# Altium PCB MCU063A_PCB.PcbDoc (part 4 of 9) (continued)
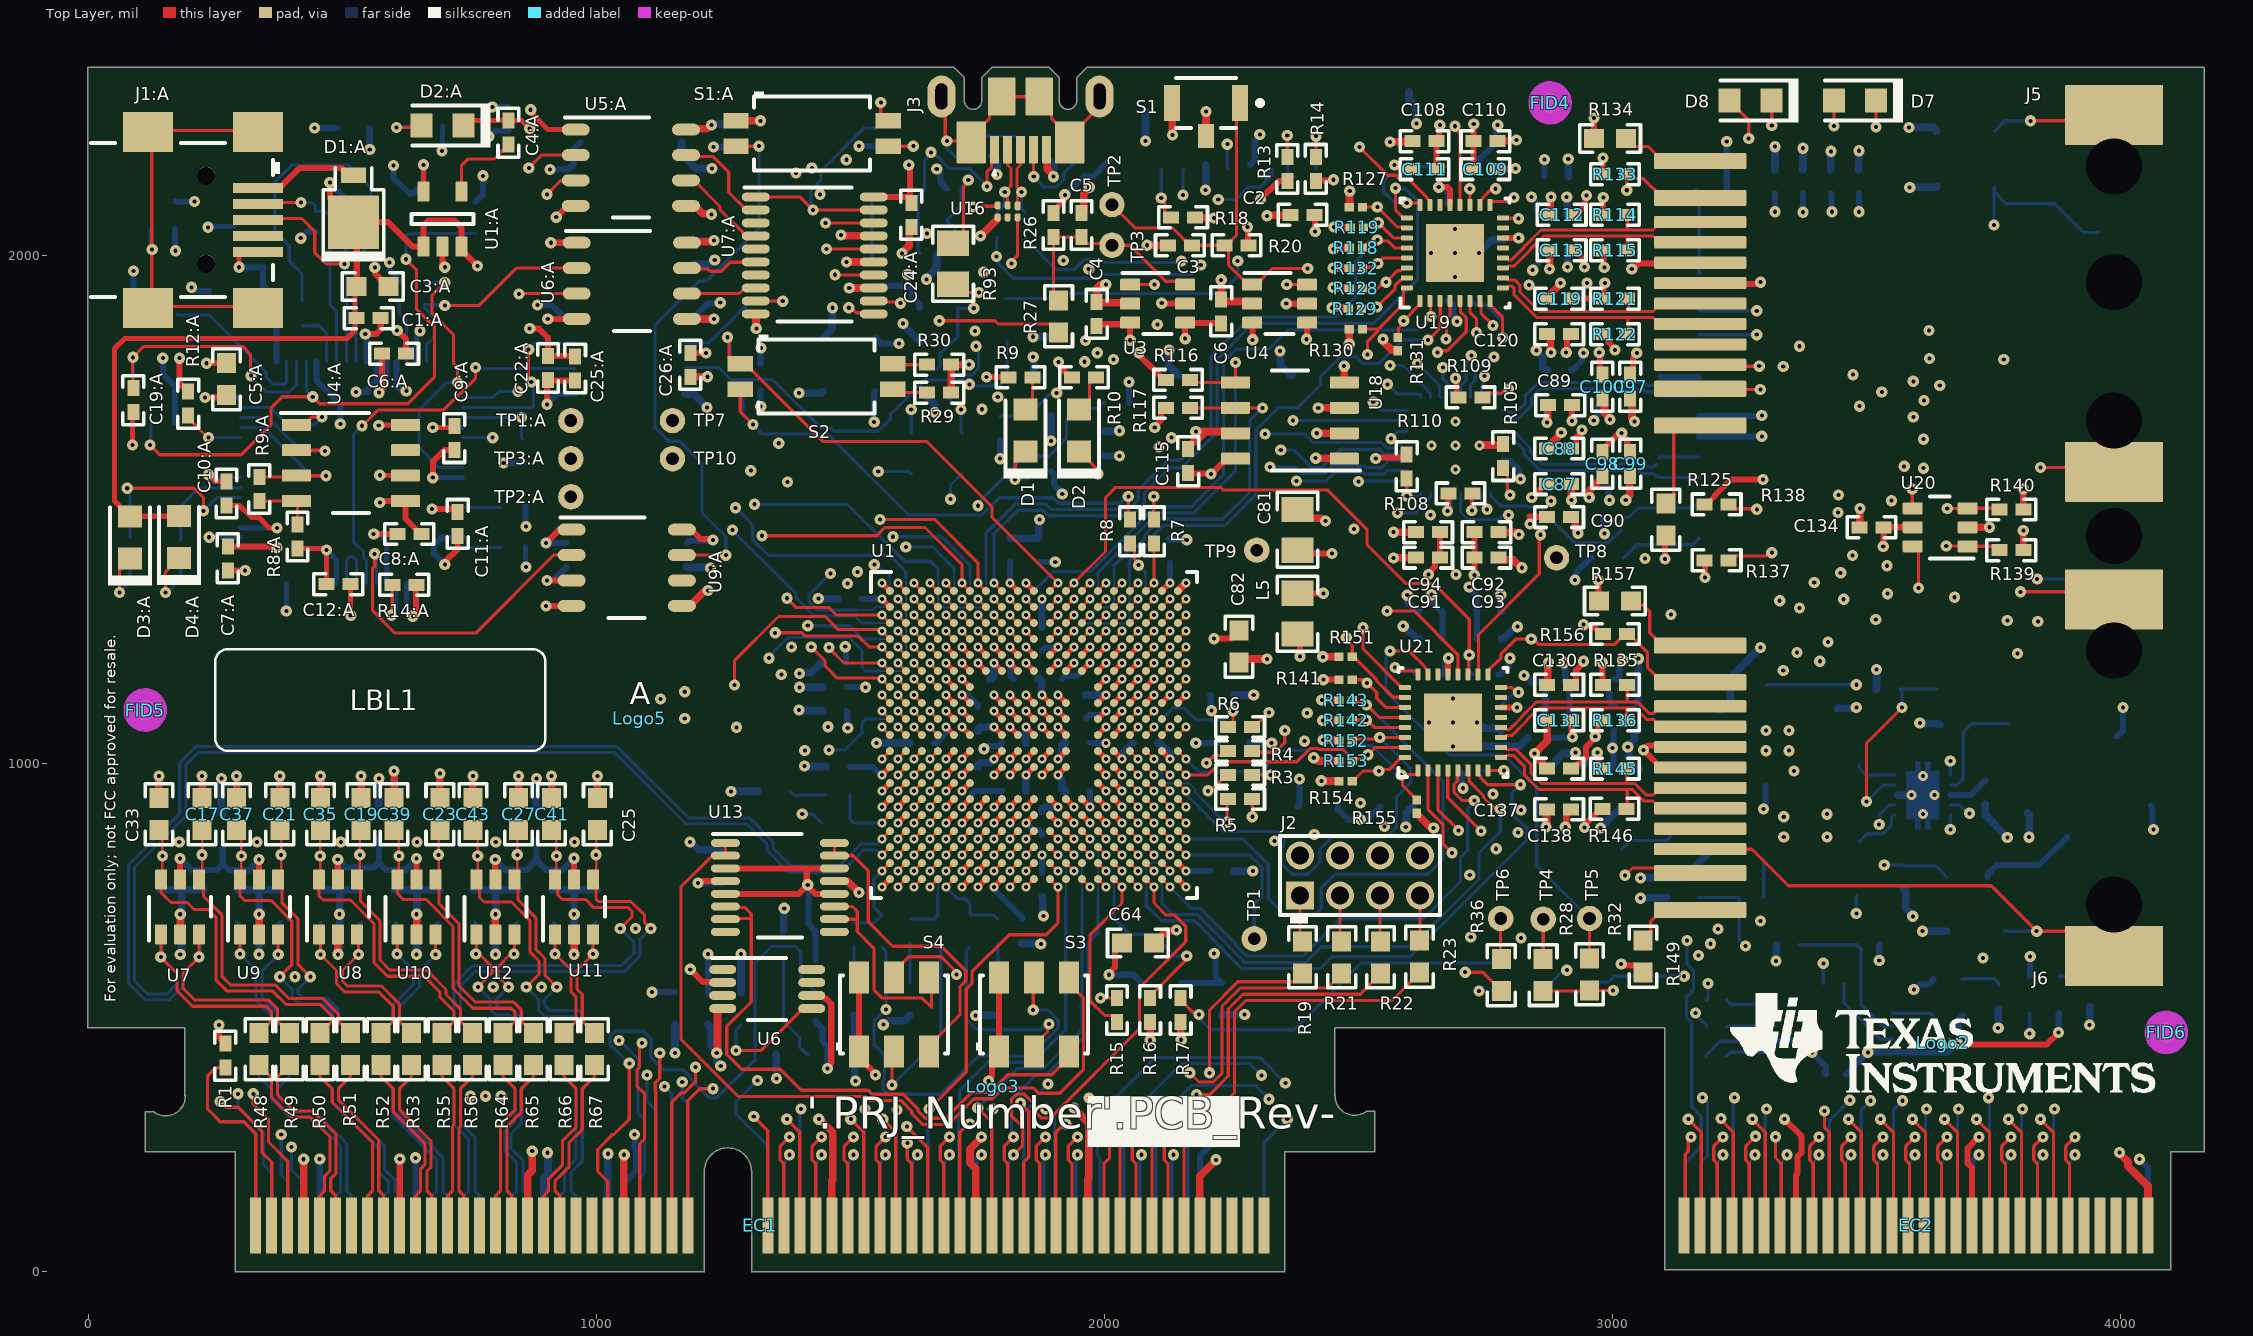
[diagram p0: Top Layer view]
## Nets (pads, with @x,y where several pads share a name; then routed paths per layer and width w, separated by ;. In a path a pad name is that pad's centre, name@x,y a point inside that pad or via, vN(x,y) a via of type N, cw(c..) or ccw(c..) an arc to the next point about the centre after c; other vN are vias at no path point) (continued)
  other v1: 782.21,345.31 797.21,560.31 892.21,560.31 407.21,580.31 181.21,624.31 1077.21,675.31 336.61,703.31 179.21,845.31 332.21,845.31 497.21,845.31 647.21,845.31 802.21,845.31 957.21,845.31 3030.21,1032.31 2816.3,1450.6
  other v3: 3610.82,900.37 3588.19,937.77 3633.46,937.77 3610.82,975.17 2638.83,1081.06 2686.07,1081.06 2686.07,1128.31 2691.07,1578.82 2643.83,1626.06 2691.07,1626.06 2691.07,1673.31 2690.01,1957.76 2642.77,2005 2690.01,2005 2690.01,2052.24
HSEC_5V0: D3.2 EC1.48 EC1.84 EC1.98 EC1.112 EC2.158 EC2.180 TP7.1 | length 1103.2
  Bottom w6.25: v1@1967.52,339.55 v1(1969.97,342)
  Bottom w12: EC1.48@1054.14,91 1054.14,174.13 1078.01,198 1078.01,239.53 1075.01,242.53 v1(1075.01,270) ; EC1.84@1747.05,91 1747.05,219.05 v1(1758,230) ; EC1.98@1967.52,91 1971.48,94.95 1971.48,340.49 v1(1969.97,342) ; EC1.112@2188,91 2188,227.99 v1(2220.01,260) ; EC2.158@3707.59,91 3707.59,216.28 v1(3721.31,230) ; v1(4037.21,221.31) 4054.04,204.47 EC2.180@4054.04,91 ; D3.2@4059.71,916.38 4063.1,913 4063.1,871.91 v1(4065.01,870)
HSEC_ADC-VREFHI: EC1.45 R44.1 | length 1211.2
  Top Layer w6.25: EC1.45@1022.64,91 1022.64,177.37 1002.88,197.13 1002.88,240.34 1032.55,270 1035.01,270 1065.01,300 v1(1065.01,410)
  Bottom w6.25: v1(1065.01,410) 1064.38,410 1026.88,447.49 1026.88,462.51 1037.5,473.13 1092.52,473.13 1108.13,457.51 1108.13,440.63 1106.88,439.38 1106.88,422.49 1132.1,397.28 1170.87,397.28 1196.08,372.07 1196.08,368.29 1222.5,341.88 1237.52,341.88 1312.75,417.11 1312.75,607.74 1344.96,639.95 1391.89,639.95 1402.61,629.23 1402.61,579.95 1430.44,552.12 R44.1@1431.42,552.12
HSEC_GPIO8: EC1.57 R19.2 | length 1800.5
  Top Layer w6.25: v1(1310.01,305) 1337.6,277.41 EC1.57@1337.6,91 ; v1(2207.21,391.31) 2207.21,514.92 2262.74,570.45 2374.43,570.45 2390.01,586.02 R19.2@2390.01,587.01
  Signal Layer 3 w6.25: v1(1310.01,305) 1361.16,253.85 1361.16,223.26 1409.29,175.13 2218.09,175.13 2261.58,218.62 2261.58,339.89 2210.16,391.31 v1(2207.21,391.31)
HSEC_GPIO9: EC1.59 R21.2 | length 1789.5
  Top Layer w6.25: EC1.59@1369.1,91 1369.1,212.49 1361.92,219.66 1361.92,246.88 v1(1380.05,265) ; v1(2168.21,391.31) 2186.33,373.19 2214.71,373.19 2231.59,390.06 2231.59,521.98 2267.81,558.2 2439.31,558.2 2467.14,586.02 R21.2@2467.14,587.01
  Signal Layer 3 w6.25: v1(1380.05,265) 1457.67,187.38 2213.02,187.38 2249.33,223.69 2249.33,334.82 2210.96,373.19 2199.29,373.19 2193.79,378.69 2184.4,378.69 2171.77,391.31 v1(2168.21,391.31)
HSEC_GPIO26: EC1.79 R22.2 | length 1437.1
  Top Layer w6.25: EC1.79@1684.06,91 1684.06,212.49 1676.88,219.66 1676.88,246.88 v1(1695.01,265) ; v1(2181.21,348.31) 2207.16,348.31 2243.84,384.99 2243.84,516.9 2272.89,545.95 2503.5,545.95 2543.57,586.02 R22.2@2543.57,587.01
  Signal Layer 3 w6.25: v1(1695.01,265) 1676.88,246.88 1676.88,222.49 1699.75,199.63 2148.54,199.63 2180.65,231.74 2180.65,246.27 2205.58,271.21 2205.58,323.94 v1(2181.21,348.31)
HSEC_GPIO27: EC1.81 R23.2 | length 1545.1
  Top Layer w6.25: EC1.81@1715.56,91 1715.56,274.45 1731.42,290.31 v1(1735.21,290.31) ; v1(2231.21,327.31) 2256.09,352.2 2256.09,511.83 2277.96,533.7 2566.19,533.7 2620.01,587.52 R23.2@2620.01,588.5
  Signal Layer 3 w6.25: v1(1735.21,290.31) 1735.21,227.16 1750.49,211.88 2143.46,211.88 2168.4,236.81 2168.4,268.07 2193.33,293.01 2193.33,311.82 2178.84,326.31 2177.57,326.31 2163.08,340.8 2163.08,355.82 2173.7,366.44 2188.71,366.44 2227.84,327.31 v1(2231.21,327.31)
IN_5V0: C46.1 C47.1 D3.1 R79.1 R81.2 R82.1 R87.2 U14.3 | length 272.4
  Bottom w12: U14.3@3665.94,937.77 3704.7,937.77 C46.1@3733.73,966.8 ; R82.1@3737.92,776.38 3737.92,781.31 3756.92,800.31 3840.32,800.31 3895.01,855
MCU_GPIO0: EC1.49 U1.C8 | length 2165.1
  Top Layer w6.25: 1085.13,440.13 1085.13,401.66 1080.01,396.54 1080.01,365 1095.13,349.88 1095.13,261.66 1085.64,252.16 EC1.49@1085.64,91 ; v2(1782.68,1292.32) U1.C8@1798.43,1276.57
  Signal Layer 8 w6.25: v1(1090.01,450) 1140.38,500.38 1140.38,776.88 1104.83,812.43 1104.83,1080.3 1156.08,1131.55 1156.08,1201.86 1199.58,1245.36 1199.58,1294.05 1286.33,1380.8 1286.33,1485.44 v1(1311.21,1510.31)
  Bottom w4: 1672.44,1371.08 1672.44,1318.35 1683.47,1307.32 1767.68,1307.32 v2(1782.68,1292.32)
  Bottom w6.25: v1(1311.21,1510.31) 1494.57,1510.31 1606.89,1398 1658,1398 1672.44,1383.56 1672.44,1371.08
MCU_GPIO1: EC1.51 U1.D8 | length 1844.3
  Top Layer w6.25: EC1.51@1117.13,91 1117.13,355.76 1116.08,356.8 1116.08,371.82 1125.01,380.75 v1(1125.01,430) ; v2(1782.68,1260.82) U1.D8@1798.43,1245.08
  Signal Layer 3 w4: 1539.21,1112.31 1546.73,1119.84 1725.9,1119.84 1797.68,1191.62 1797.68,1245.82 v2(1782.68,1260.82)
  Signal Layer 3 w6.25: v1(1174.21,1088.31) 1209.33,1053.19 1390.04,1053.19 1449.16,1112.31 1539.21,1112.31
  Signal Layer 8 w6.25: v1(1125.01,430) 1164.88,469.88 1164.88,787.03 1129.33,822.58 1129.33,1043.44 v1(1174.21,1088.31)
MCU_GPIO2: EC1.53 U1.A7 | length 1997.5
  Top Layer w6.25: EC1.53@1148.63,91 1148.63,333.62 1167.15,352.14 1173.67,352.14 1195.21,373.68 v1(1195.21,402.31) ; v1(1558.21,1480.31) 1666.21,1480.31 1751.18,1395.34 v2(1751.18,1355.31) U1.A7@1766.93,1339.56
  Signal Layer 8 w6.25: v1(1195.21,402.31) 1195.21,465.55 1238.13,508.48 1238.13,633.38 1228.55,642.97 1228.55,762.09 1193.23,797.41 1189.15,797.41 1153.83,832.73 1153.83,857.89 1173.38,877.45 1173.38,982.95 1205.08,1014.65 1205.08,1216.21 1224.08,1235.21 1224.08,1269.12 1435.28,1480.31 v1(1558.21,1480.31)
MCU_GPIO3: EC1.55 U1.B7 | length 2071.5
  Top Layer w6.25: EC1.55@1180.12,91 1180.12,336.23 1203.9,360 v1(1230.01,360) ; v2(1751.18,1323.82) U1.B7@1766.93,1308.07
  Signal Layer 8 w6.25: v1(1230.01,360) 1293.13,423.13 1293.13,591.24 1262.63,621.74 1262.63,655.68 1253.88,664.43 1253.88,801.27 1197.88,857.27 1197.88,972.8 1231.73,1006.65 1231.73,1078.09 1229.58,1080.23 1229.58,1206.07 1248.58,1225.07 1248.58,1258.97 1357.55,1367.94 1429.2,1367.94 1470.7,1409.44 1554.71,1409.44 1555.96,1408.19 1616.71,1408.19 1627.33,1418.8 1627.33,1433.82 1614.84,1446.31 v1(1584.21,1446.31)
  Bottom w4: 1735.44,1371.08 1735.44,1339.56 v2(1751.18,1323.82)
  Bottom w6.25: v1(1584.21,1446.31) 1679.69,1446.31 1735.44,1390.56 1735.44,1371.08
MCU_GPIO4: EC1.50 U1.C7 | length 1968.4
  Top Layer w6.25: v2(1751.18,1292.32) U1.C7@1766.93,1276.57
  Signal Layer 3 w4: 1509.21,1132.31 1538.47,1132.31 1555.99,1149.84 1724.4,1149.84 1766.18,1191.62 1766.18,1277.32 v2(1751.18,1292.32)
  Signal Layer 3 w6.25: v1(1126.21,1127.31) 1147.08,1106.44 1269.4,1106.44 1288.65,1087.19 1406.71,1087.19 1451.84,1132.31 1509.21,1132.31
  Signal Layer 8 w6.25: v1(1045.01,455) 1068.9,455 1128.13,514.24 1128.13,771.81 1092.58,807.36 1092.58,1093.69 v1(1126.21,1127.31)
  Bottom w6.25: v1(1045.01,455) 1045.64,455 1083.13,417.51 1083.13,395.76 1082.01,394.63 1082.01,313 1095.13,299.88 1095.13,193.74 1085.64,184.24 EC1.50@1085.64,91
MCU_GPIO5: EC1.52 U1.D7 | length 1804.9
  Top Layer w6.25: v2(1751.18,1260.82) U1.D7@1766.93,1245.08
  Signal Layer 3 w4: 1544.21,1182.31 1725.38,1182.31 1736.18,1193.11 1736.18,1245.82 v2(1751.18,1260.82)
  Signal Layer 3 w6.25: v1(1174.21,1141.31) 1259.57,1141.31 1269.01,1131.88 1407.52,1131.88 1457.95,1182.31 1544.21,1182.31
  Signal Layer 8 w6.25: v1(1100.13,387.13) 1100.13,434.49 1152.63,486.99 1152.63,781.96 1117.08,817.51 1117.08,1056.82 1174.21,1113.94 v1(1174.21,1141.31)
  Bottom w6.25: v1(1100.13,387.13) 1100.13,334.88 1117.13,317.88 EC1.52@1117.13,91
MCU_GPIO6: EC1.54 U1.A6 | length 1982.9
  Top Layer w6.25: v1(1326.21,1448.31) 1551.84,1448.31 1567.96,1464.44 1647.08,1464.44 1719.69,1391.83 v2(1719.69,1355.31) U1.A6@1735.44,1339.56
  Signal Layer 8 w6.25: v1(1134.21,364.31) 1134.21,366.94 1182.96,415.69 1182.96,499.83 1203.13,520 1203.13,616.24 1177.13,642.24 1177.13,792.1 1141.58,827.66 1141.58,1030.05 1192.83,1081.3 1192.83,1221.29 1211.83,1240.29 1211.83,1274.19 1326.21,1388.57 v1(1326.21,1448.31)
  Bottom w6.25: v1(1134.21,364.31) 1134.32,364.31 1148.63,350.01 EC1.54@1148.63,91
MCU_GPIO7: EC1.56 U1.B6 | length 1932.2
  Top Layer w6.25: v2(1719.69,1323.82) U1.B6@1735.44,1308.07
  Signal Layer 8 w6.25: v1(1169.21,373.31) 1191.84,373.31 1219.08,400.55 1219.08,472.1 1250.38,503.4 1250.38,650.61 1240.8,660.19 1240.8,767.17 1198.3,809.66 1194.22,809.66 1166.08,837.8 1166.08,852.82 1185.63,872.37 1185.63,977.88 1217.33,1009.58 1217.33,1211.14 1236.33,1230.14 1236.33,1264.04 1398.6,1426.31 v1(1609.21,1426.31)
  Bottom w4: 1703.94,1376.58 1703.94,1339.56 v2(1719.69,1323.82)
  Bottom w6.25: v1(1169.21,373.31) 1169.21,341.31 1180.12,330.4 EC1.56@1180.12,91 ; v1(1609.21,1426.31) 1661.69,1426.31 1703.94,1384.06 1703.94,1376.58
MCU_GPIO8: J2.1 R19.1 U1.G2 | length 1336
  Top Layer w6.25: v2(1593.7,1166.34) U1.G2@1609.45,1150.59 ; J2.1@2385.01,740.12 2385.01,655 R19.1@2390.01,650
  Signal Layer 4 w4: v2(1593.7,1166.34) 1610.2,1149.84 1914.88,1149.84 1955.91,1108.81 1955.91,1097.88 1996.94,1056.85 2166.85,1056.85 2176.31,1066.31 2191.69,1066.31
  Signal Layer 4 w6.25: 2191.69,1066.31 2210.69,1066.31 2254.77,1022.23 2371.86,1022.23 v1(2393.63,1044)
  Signal Layer 7 w6.25: J2.1@2385.01,740.12 2427.07,782.17 2427.07,848.54 2431.33,852.8 2431.33,936.05 2402.33,965.05 2402.33,976.82 2393.63,985.52 v1(2393.63,1044)
MCU_GPIO9: J2.3 R21.1 U1.G3 | length 2324.4
  Top Layer w6.25: v2(1625.2,1166.34) U1.G3@1640.95,1150.59 ; J2.3@2463.75,740.12 2463.75,653.39 R21.1@2467.14,650
  Signal Layer 4 w4: v2(1625.2,1166.34) 1640.2,1181.34 1897.52,1181.34 1991.26,1087.6 2175.21,1087.6
  Signal Layer 4 w6.25: 2175.21,1087.6 2195.59,1087.6 2201,1082.19 2331.71,1082.19 2332.96,1083.44 2389.45,1083.44 2406.01,1066.88 2499.21,1066.88 2549.23,1016.85 2786.3,1016.85 2837.33,965.82 2837.33,925.44 v1(2820.21,908.31)
  Signal Layer 7 w6.25: J2.3@2463.75,740.12 2500.43,776.8 2500.43,828.68 2527.29,855.54 2636.42,855.54 2666.08,825.88 2666.08,687.8 2713.7,640.19 2728.71,640.19 2745.88,657.36 2745.88,731.42 2832.33,817.86 2832.33,891.93 2820.21,904.05 v1(2820.21,908.31) v1@2828.21,908.31
MCU_GPIO10: EC1.61 U1.B2 | length 1740.5
  Top Layer w6.25: v1(1375.05,300) 1400.6,274.45 EC1.61@1400.6,91 ; v2(1593.7,1323.82) U1.B2@1609.45,1308.07
  Signal Layer 8 w6.25: v1(1375.05,300) 1375.05,577.92 1278.38,674.58 1278.38,811.42 1222.38,867.42 1222.38,962.66 1293.88,1034.16 1293.88,1047.75 1294.33,1048.2 1294.33,1078.82 1254.08,1119.07 1254.08,1195.92 1273.08,1214.92 1273.08,1248.82 1367.7,1343.44 1455.96,1343.44 1481.33,1368.8 1481.33,1370.07 1506.7,1395.44 1538.82,1395.44 1542.95,1391.31 v1(1547.21,1391.31)
  Bottom w4: 1577.21,1369 1577.21,1340.31 v2(1593.7,1323.82)
  Bottom w6.25: v1(1547.21,1391.31) 1551.47,1391.31 1563.05,1379.73 1572.79,1379.73 1577.21,1375.31 1577.21,1369
MCU_GPIO11: EC1.63 U1.C1 | length 1640.8
  Top Layer w6.25: v1(1375.21,1325.31) 1393.64,1306.88 1458.01,1306.88 1472.57,1292.32 v2(1562.21,1292.32) U1.C1@1577.96,1276.57 ; EC1.63@1432.09,91 1432.09,212.49 1424.92,219.66 1424.92,246.88 v1(1443.04,265)
  Signal Layer 8 w6.25: v1(1375.21,1325.31) 1285.33,1235.44 1285.33,1166.82 1290.33,1161.82 1290.33,1117.47 1318.83,1088.97 1318.83,1033.4 1318.38,1032.95 1318.38,1024.01 1246.88,952.51 1246.88,877.56 1302.88,821.56 1302.88,687.2 1399.55,590.53 1399.55,412.5 1433.42,378.64 1433.42,373.99 1456.17,351.24 1456.17,280.69 1443.04,267.56 v1(1443.04,265)
MCU_GPIO12: EC1.58 U1.C2 | length 1810.9
  Top Layer w6.25: v2(1593.7,1292.32) U1.C2@1609.45,1276.57
  Signal Layer 8 w6.25: v1(1317.21,376.31) 1317.21,618.44 1266.13,669.51 1266.13,806.34 1210.13,862.34 1210.13,967.73 1243.98,1001.57 1243.98,1083.16 1241.83,1085.3 1241.83,1200.99 1260.83,1219.99 1260.83,1253.89 1362.63,1355.69 1442.58,1355.69 v1(1461.21,1374.31)
  Bottom w4: 1514,1302 1544.38,1302 1550.45,1308.07 1577.96,1308.07 v2(1593.7,1292.32)
  Bottom w6.25: v1(1317.21,376.31) 1275.01,334.11 1275.01,310 1337.6,247.41 EC1.58@1337.6,91 ; v1(1461.21,1374.31) 1460.69,1374.31 1418.88,1332.51 1418.88,1317.49 1434.38,1302 1514,1302
MCU_GPIO13: EC1.60 U1.D1 | length 1621.8
  Top Layer w6.25: v1(1272.21,1154.31) 1272.21,1202.94 1358.7,1289.44 1450.46,1289.44 1476.34,1263.56 1559.47,1263.56 v2(1562.21,1260.82) U1.D1@1577.96,1245.08
  Signal Layer 8 w6.25: v1(1272.21,1154.31) 1272.21,1118.27 1306.58,1083.89 1306.58,1038.47 1306.13,1038.03 1306.13,1029.08 1234.63,957.58 1234.63,872.49 1290.63,816.49 1290.63,682.12 1387.3,585.46 1387.3,407.43 1421.17,373.56 1421.17,312.49 1419.92,311.24 1419.92,269.87 v1(1380.05,230)
  Bottom w6.25: EC1.60@1369.1,91 1369.1,214.05 1385.05,230 v1(1380.05,230)
MCU_GPIO14: EC1.62 U1.D2 | length 1942
  Top Layer w6.25: v2(1593.7,1260.82) U1.D2@1609.45,1245.08
  Signal Layer 7 w6.25: v1(1268.21,1459.31) 1268.21,1455.05 1273.13,1450.12 1273.13,1398.54 1241.83,1367.23 1241.83,993.81 1303.13,932.51 1303.13,437.49 1286.83,421.19 1286.83,363.73 1312,338.56 1384.48,338.56 v1(1403.04,320)
  Bottom w4: 1547.47,1276.57 1577.96,1276.57 v2(1593.7,1260.82)
  Bottom w6.25: v1(1268.21,1459.31) 1393.33,1334.19 1393.33,1325.72 1428.6,1290.45 1508.18,1290.45 1522.06,1276.57 1547.47,1276.57 ; EC1.62@1400.6,91 1400.6,317.55 v1(1403.04,320)
MCU_GPIO15: EC1.64 U1.D3 | length 1744.6
  Top Layer w6.25: v2(1625.2,1260.82) U1.D3@1640.95,1245.08
  Signal Layer 3 w4: 1546.21,1276.31 1609.71,1276.31 v2(1625.2,1260.82)
  Signal Layer 3 w6.25: v1(1494.47,1354.63) 1494.47,1288.53 1506.69,1276.31 1546.21,1276.31
  Signal Layer 8 w6.25: v1(1443.04,230) 1468.42,255.38 1468.42,356.31 1445.67,379.06 1445.67,383.71 1411.8,417.58 1411.8,595.61 1315.13,692.27 1315.13,826.64 1289.29,852.49 1289.29,977.59 1330.63,1018.93 1330.63,1027.88 1331.08,1028.33 1331.08,1094.04 1302.58,1122.54 1302.58,1166.89 1297.58,1171.89 1297.58,1228.32 1358.71,1289.45 1429.29,1289.45 v1(1494.47,1354.63)
  Bottom w6.25: EC1.64@1432.09,91 1432.09,214.05 1448.04,230 v1(1443.04,230)
MCU_GPIO16: EC1.67 U1.E1 | length 1557
  Top Layer w6.25: v1(1352.21,1257.31) 1404.57,1257.31 1410.57,1251.31 1515.02,1251.31 1537,1229.33 v2(1562.21,1229.33) U1.E1@1577.96,1213.58 ; EC1.67@1495.08,91 1495.08,212.49 1487.91,219.66 1487.91,246.88 v1(1506.03,265)
  Signal Layer 8 w6.25: v1(1352.21,1257.31) 1349.19,1254.3 1344.24,1254.3 1309.83,1219.89 1309.83,1176.97 1314.83,1171.97 1314.83,1164.41 1343.33,1135.91 1343.33,1023.25 1342.88,1022.8 1342.88,1013.86 1301.54,972.51 1301.54,857.56 1327.38,831.71 1327.38,697.34 1473.13,551.59 1473.13,368.92 1480.67,361.39 1480.67,290.37 v1(1506.03,265)
MCU_GPIO17: EC1.69 U1.E2 | length 1578.6
  Top Layer w6.25: v1(1501.03,300) 1526.58,274.45 EC1.69@1526.58,91 ; v2(1593.7,1229.33) U1.E2@1609.45,1213.58
  Signal Layer 8 w6.25: v1(1416.21,1271.31) 1395.26,1271.31 1363.13,1239.19 1346.45,1239.19 1322.08,1214.82 1322.08,1199.8 1327.08,1194.8 1327.08,1169.48 1355.58,1140.98 1355.58,1018.18 1355.13,1017.73 1355.13,980.01 1313.79,938.66 1313.79,862.76 1340.46,836.09 1340.46,728.4 1339.63,727.58 1339.63,702.42 1357.43,684.63 1357.54,684.63 1491.88,550.28 1491.88,367.49 1501.03,358.34 v1(1501.03,300)
  Bottom w4: 1551.44,1245.08 1577.96,1245.08 v2(1593.7,1229.33)
  Bottom w6.25: v1(1416.21,1271.31) 1498.69,1271.31 1524.92,1245.08 1551.44,1245.08
MCU_GPIO18: EC1.71 U1.E3 | length 1619.3
  Top Layer w6.25: EC1.71@1558.08,91 1558.08,212.49 1550.9,219.66 1550.9,246.88 v1(1569.03,265) ; v2(1625.2,1229.33) U1.E3@1640.95,1213.58
  Signal Layer 3 w4: 1545.21,1245.31 1609.21,1245.31 v2(1625.2,1229.33)
  Signal Layer 3 w6.25: v1(1364.21,1175.31) 1364.21,1234.94 1377.39,1248.13 1432.13,1248.13 1440,1256 1507,1256 1517.69,1245.31 1545.21,1245.31
  Signal Layer 8 w6.25: v1(1364.21,1175.31) 1380.08,1159.44 1380.08,1008.03 1379.63,1007.58 1379.63,969.86 1338.29,928.51 1338.29,872.91 1364.96,846.24 1364.96,752.28 1388.13,729.1 1388.13,711.16 1481.96,617.33 1494.42,617.33 1588.25,523.51 1588.25,400.31 1561.83,373.89 1561.83,327.17 1545.9,311.24 1545.9,288.13 v1(1569.03,265)
MCU_GPIO19: EC1.73 U1.E4 | length 1650.9
  Top Layer w6.25: v1(1564.03,300) 1589.57,274.45 EC1.73@1589.57,91 ; v2(1656.7,1229.33) U1.E4@1672.44,1213.58
  Signal Layer 3 w4: 1544.19,1214.33 1641.7,1214.33 v2(1656.7,1229.33)
  Signal Layer 3 w6.25: v1(1384.21,1229.31) 1403,1210.52 1502.52,1210.52 1506.33,1214.33 1544.19,1214.33
  Signal Layer 8 w6.25: v1(1384.21,1229.31) 1418.33,1195.19 1418.33,1068.35 1392.33,1042.35 1392.33,1002.96 1391.88,1002.51 1391.88,964.79 1350.54,923.44 1350.54,877.98 1385,843.52 1385,749.56 1400.38,734.18 1400.38,716.23 1477.31,639.31 1529.86,639.31 1600.5,568.67 1600.5,359.97 1574.08,333.55 1574.08,314.32 1564.03,304.26 v1(1564.03,300)
MCU_GPIO20: EC1.68 U1.F2 | length 2287.9
  Top Layer w6.25: v2(1593.7,1197.83) U1.F2@1609.45,1182.08
  Signal Layer 7 w6.25: v1(1274.21,1503.31) 1274.21,1499.05 1286.33,1486.93 1286.33,1394.41 1254.08,1362.16 1254.08,998.88 1315.38,937.58 1315.38,432.42 1299.08,416.12 1299.08,368.8 1317.07,350.81 1397.86,350.81 1421.17,327.51 1421.17,308.76 1419.92,307.51 1419.92,227.49 1435.53,211.88 1487.91,211.88 v1(1506.03,230)
  Bottom w4: v2(1593.7,1197.83) 1609.21,1213.34 1609.21,1365.31
  Bottom w6.25: v1(1274.21,1503.31) 1308.08,1469.44 1308.08,1440.8 1339.45,1409.44 1577.56,1409.44 1609.21,1377.79 1609.21,1365.31 ; EC1.68@1495.08,91 1495.08,214.05 1511.03,230 v1(1506.03,230)
MCU_GPIO21: EC1.70 U1.F3 | length 1610.8
  Top Layer w6.25: v2(1625.2,1197.83) U1.F3@1640.95,1182.08
  Signal Layer 8 w6.25: v1(1340.21,1207.31) 1340.21,1173.68 1367.83,1146.05 1367.83,1013.1 1367.38,1012.66 1367.38,974.94 1326.04,933.59 1326.04,867.83 1352.71,841.16 1352.71,723.33 1351.88,722.51 1351.88,707.49 1362.5,696.88 1362.62,696.88 1529.03,530.47 v1(1529.03,320)
  Bottom w4: 1554.98,1182.08 1609.45,1182.08 v2(1625.2,1197.83)
  Bottom w6.25: v1(1340.21,1207.31) 1340.21,1210.94 1377.39,1248.13 1497.52,1248.13 1523,1222.64 1523,1189 1529.92,1182.08 1554.98,1182.08 ; EC1.70@1526.58,91 1526.58,317.55 v1(1529.03,320)
MCU_GPIO22: EC1.72 U1.J4 | length 1479.4
  Top Layer w6.25: v2(1656.7,1103.34) U1.J4@1672.44,1087.6
  Signal Layer 3 w4: 1546.21,993.31 1567.88,993.31 1578.7,1004.14 1578.7,1015.07 1603.99,1040.35 1614.92,1040.35 1640.2,1065.63 1640.2,1086.85 v2(1656.7,1103.34)
  Signal Layer 3 w6.25: v1(1410.46,1025.67) 1442.82,993.31 1546.21,993.31
  Signal Layer 8 w6.25: v1(1410.46,1025.67) 1428.13,1008 1428.13,983.71 1362.79,918.37 1362.79,883.05 1397.25,848.59 1397.25,754.64 1412.63,739.25 1412.63,721.31 1482.38,651.56 1534.93,651.56 1612.75,573.74 1612.75,354.9 1612.38,354.53 1612.38,312.86 1593.08,293.55 1593.08,254.06 v1(1569.03,230)
  Bottom w6.25: EC1.72@1558.08,91 1558.08,214.05 1574.03,230 v1(1569.03,230)
MCU_GPIO23: EC1.74 U1.K4 | length 1636.2
  Top Layer w6.25: v2(1656.7,1071.85) U1.K4@1672.44,1056.1
  Signal Layer 4 w4: 1546.75,993.86 1568.42,993.86 1578.7,1004.14 1578.7,1015.07 1605.75,1042.12 1626.97,1042.12 v2(1656.7,1071.85)
  Signal Layer 4 w6.25: v1(1276.21,1071.31) 1390.45,1071.31 1429.25,1032.52 1429.25,1029.64 1465.03,993.86 1546.75,993.86
  Signal Layer 7 w6.25: v1(1276.21,1071.31) 1330.21,1017.31 1330.21,499.17 1489.07,340.31 1534.35,340.31 1545.35,329.31 1581.21,329.31 v1(1592.21,318.31)
  Bottom w6.25: EC1.74@1589.57,91 1589.57,317.55 1590.33,318.31 v1(1592.21,318.31)
MCU_GPIO24: EC1.75 U1.K3 | length 1447.1
  Top Layer w6.25: v1(1612.21,253.31) 1612.21,221.35 1621.07,212.49 EC1.75@1621.07,91 ; v2(1625.2,1071.85) U1.K3@1640.95,1056.1
  Signal Layer 3 w4: 1549.21,1088.31 1608.73,1088.31 v2(1625.2,1071.85)
  Signal Layer 3 w6.25: v1(1456.21,1072.31) 1472.21,1088.31 1549.21,1088.31
  Signal Layer 8 w6.25: v1(1456.21,1072.31) 1458.21,1070.3 1458.21,1051.94 1476.33,1033.82 1476.33,997.26 1387.29,908.22 1387.29,893.2 1446.58,833.91 1446.58,722.01 1492.01,676.58 1609.91,676.58 1652.47,634.02 1652.47,538.09 1641.88,527.51 1641.88,499.61 1661.96,479.53 1661.96,369.46 1636.88,344.38 1636.88,277.99 v1(1612.21,253.31)
MCU_GPIO25: EC1.77 U1.K2 | length 1395.4
  Top Layer w6.25: v2(1593.7,1071.85) U1.K2@1609.45,1056.1 ; v1(1611.21,285.31) 1652.56,243.95 EC1.77@1652.56,91
  Signal Layer 8 w6.25: v1(1458.21,1026.31) 1458.21,996.46 1375.04,913.29 1375.04,888.13 1434.33,828.83 1434.33,716.93 1487.45,663.81 1605.36,663.81 1640.22,628.95 1640.22,543.17 1629.63,532.58 1629.63,494.53 1649.71,474.46 1649.71,374.53 1624.63,349.46 1624.63,300.7 1611.21,287.27 v1(1611.21,285.31)
  Bottom w4: 1549.92,1087.6 1577.96,1087.6 v2(1593.7,1071.85)
  Bottom w6.25: v1(1458.21,1026.31) 1488.64,1026.31 1523,1060.67 1523,1080 1530.6,1087.6 1549.92,1087.6
MCU_GPIO26: J2.5 R22.1 U1.K1 | length 5062.1
  Top Layer w6.25: v2(1562.21,1071.85) U1.K1@1577.96,1056.1 ; J2.5@2542.49,740.12 2542.49,651.08 R22.1@2543.57,650
  Signal Layer 7 w6.25: J2.5@2542.49,740.12 2666.92,615.69 2923.96,615.69 3006.88,698.62 3006.88,914.99 3079.33,987.44 3079.33,1216.03 3046.08,1249.28 3046.08,1516.51 3283.6,1754.03 3334.56,1754.03 3368.21,1787.68 v1(3368.21,1821.31)
  Signal Layer 8 w4: v2(1562.21,1071.85) 1577.21,1086.85 1577.21,1328.53 1587.8,1339.12 1598.73,1339.12 1609.47,1349.86 1609.47,1369.58 1620.21,1380.32
  Signal Layer 8 w6.25: 1620.21,1380.32 1639.58,1399.69 1639.58,1572.37 1589.63,1622.32 1589.63,1794.99 1622.13,1827.49 1622.13,1878.52 1643.58,1899.97 1643.58,1919.91 1669.33,1945.66 1669.33,2111.07 1747.64,2189.38 2077.67,2189.38 2081.67,2185.38 2382.92,2185.38 2494.63,2073.66 2494.63,1981.25 2547.2,1928.69 2741.79,1928.69 2807.41,1863.06 3035.9,1863.06 3077.65,1821.31 v1(3368.21,1821.31)
MCU_GPIO27: J2.7 R23.1 U1.L1 | length 5154.7
  Top Layer w6.25: v2(1562.21,1008.86) U1.L1@1577.96,1024.6 ; R23.1@2620.01,651.5 2621.23,652.72 J2.7@2621.23,740.12
  Signal Layer 7 w6.25: J2.7@2621.23,740.12 2653.83,707.51 2653.83,682.73 2708.63,627.94 2846.21,627.94 2897.84,679.57 2897.84,859.05 2889.08,867.8 2889.08,1156.55 2925.08,1192.55 2925.08,1334.55 2954.08,1363.55 2954.08,1497.55 2976.08,1519.55 2976.08,1525.82 3250.39,1800.13 3317.39,1800.13 v1(3336.21,1781.31)
  Signal Layer 8 w4: v2(1562.21,1008.86) 1591.94,1038.58 1613.15,1038.58 1640.2,1065.63 1640.2,1265.54 1650.48,1275.82 1661.41,1275.82 1671.7,1286.11 1671.7,1366.8
  Signal Layer 8 w6.25: 1671.7,1366.8 1671.7,1407.49 1674.21,1410 1674.21,1607.31 1648.88,1632.63 1648.88,1870.62 1668.08,1889.82 1668.08,1909.76 1693.83,1935.51 1693.83,2073.57 1733.7,2113.44 1789.94,2113.44 1802.19,2101.19 1929.71,2101.19 1949.68,2121.15 1949.68,2139.41 1969.64,2159.38 2374.27,2159.38 2470.13,2063.51 2470.13,1887.75 2556.45,1801.44 2569.71,1801.44 2630.96,1740.19 2697.98,1740.19 2812.29,1625.88 3301.52,1625.88 3336.21,1660.57 v1(3336.21,1781.31)
MCU_GPIO28: EC1.76 S1:A.3 U1.V11 | length 2451.8
  Top Layer w6.25: S1:A.3@1575.01,2215 v1(1624.01,2215) ; U1.V11@1892.92,804.13 v2(1908.66,788.38)
  Signal Layer 7 w4: v2(1908.66,788.38) 1923.66,773.38 1923.66,731.77
  Signal Layer 7 w6.25: v1(1624.01,2215) 1624.01,2212.37 1652.08,2184.3 1652.08,2085.39 1692.63,2044.84 1692.63,1903.88 v1(1745.21,1851.31) ; v1(1632.02,230) 1632.02,271.38 1776.58,415.94 1776.58,494.36 1923.66,641.44 1923.66,731.77
  Signal Layer 8 w4: 1871.21,1359.31 1892.17,1338.35 1892.17,804.88 v2(1908.66,788.38)
  Signal Layer 8 w6.25: v1(1745.21,1851.31) 1842.13,1754.38 1842.13,1388.38 1871.21,1359.31
  Bottom w6.25: EC1.76@1621.07,91 1621.07,214.05 1637.02,230 v1(1632.02,230)
MCU_GPIO29: EC1.78 U1.W11 U8:A.3 | length 2712.9
  Top Layer w6.25: v1(1655.01,320) 1728.08,393.07 1728.08,555.86 1739.38,567.17 1739.38,589.88 1812.63,663.13 1885.77,663.13 1908.66,686.02 v2(1908.66,756.89) U1.W11@1892.92,772.63
  Signal Layer 8 w4: 1829.18,1368 1829.18,1319.1 1840.21,1308.07 1851.14,1308.07 1862.17,1297.04 1862.17,803.38 v2(1908.66,756.89)
  Signal Layer 8 w6.25: v1(1747.21,1821.31) 1813.13,1755.38 1813.13,1578.97 1805.88,1571.72 1805.88,1399.57 1829.18,1376.28 1829.18,1368
  Bottom w6.25: U8:A.3@1175.34,1777.37 1177.32,1779.35 1241.57,1779.35 1264.99,1755.94 1346.44,1755.94 1441.69,1660.69 1461.01,1660.69 1467.83,1653.88 1554.52,1653.88 1579.38,1678.74 1579.38,1688.03 1646.01,1754.65 1716.92,1754.65 1726.7,1764.44 1739.08,1764.44 1752.13,1777.49 1752.13,1812.12 1747.21,1817.05 v1(1747.21,1821.31) ; EC1.78@1652.56,91 1652.56,317.55 v1(1655.01,320)
MCU_GPIO30: EC1.80 U1.T11 | length 1042.5
  Top Layer w6.25: U1.T11@1892.92,867.12 v2(1908.66,851.38)
  Signal Layer 7 w4: 1888,773 1888,798 1892.92,802.92 1892.92,835.63 v2(1908.66,851.38)
  Signal Layer 7 w6.25: v1(1695.01,230) 1676.88,211.88 1624.51,211.88 1593.08,243.3 1593.08,293.55 1764.33,464.8 1764.33,499.44 1898.13,633.24 1898.13,720.04 1888,730.18 1888,773
  Bottom w6.25: EC1.80@1684.06,91 1684.06,214.05 1700.01,230 v1(1695.01,230)
MCU_GPIO31: EC1.82 R11.1 U1.U11 U2.1 | length 1966.4
  Top Layer w6.25: U1.U11@1892.92,835.63 v2(1908.66,819.88)
  Signal Layer 7 w4: v2(1908.66,819.88) 1924.21,835.42 1924.21,1372.31
  Signal Layer 7 w6.25: v1(1906.2,1729.44) 1935.33,1700.3 1935.33,1451 1924.21,1439.88 1924.21,1372.31
  Bottom w4: v2(1908.66,819.88) 1924.21,804.34 1924.21,737.31
  Bottom w6.25: EC1.82@1715.56,91 1713.13,91 1713.13,308.13 1715.56,310.55 1715.56,356.66 1770.83,411.94 1858.79,411.94 1924.21,477.36 1924.21,737.31 ; R11.1@1795.01,1683.62 1795.52,1684.13 U2.1@1857.61,1684.13 1857.61,1692.01 1892.02,1726.42 1903.18,1726.42 v1(1906.2,1729.44)
MCU_GPIO32: EC1.85 U1.U13 | length 884.2
  Top Layer w6.25: v1(1750.99,322) 1778.55,294.45 EC1.85@1778.55,91 ; U1.U13@1955.91,835.63 v2(1971.66,819.88)
  Bottom w4: 1956.21,735.31 1956.21,804.43 v2(1971.66,819.88)
  Bottom w6.25: v1(1750.99,322) 1828.68,399.69 1880.23,399.69 1956.21,475.66 1956.21,735.31